# Altium PCB Charge ContollerV2.PcbDoc (part 2 of 2)
Units mil, origin at the board's own origin, x right, y up, seen from the top; angles counter-clockwise.
Board outline 6000 x 4000 mil, 4 copper layers (Top Layer, GND, PWR, Bottom Layer), stack 23.756 mil thick; 105 components, 62 nets, 328 pads, 55 vias.
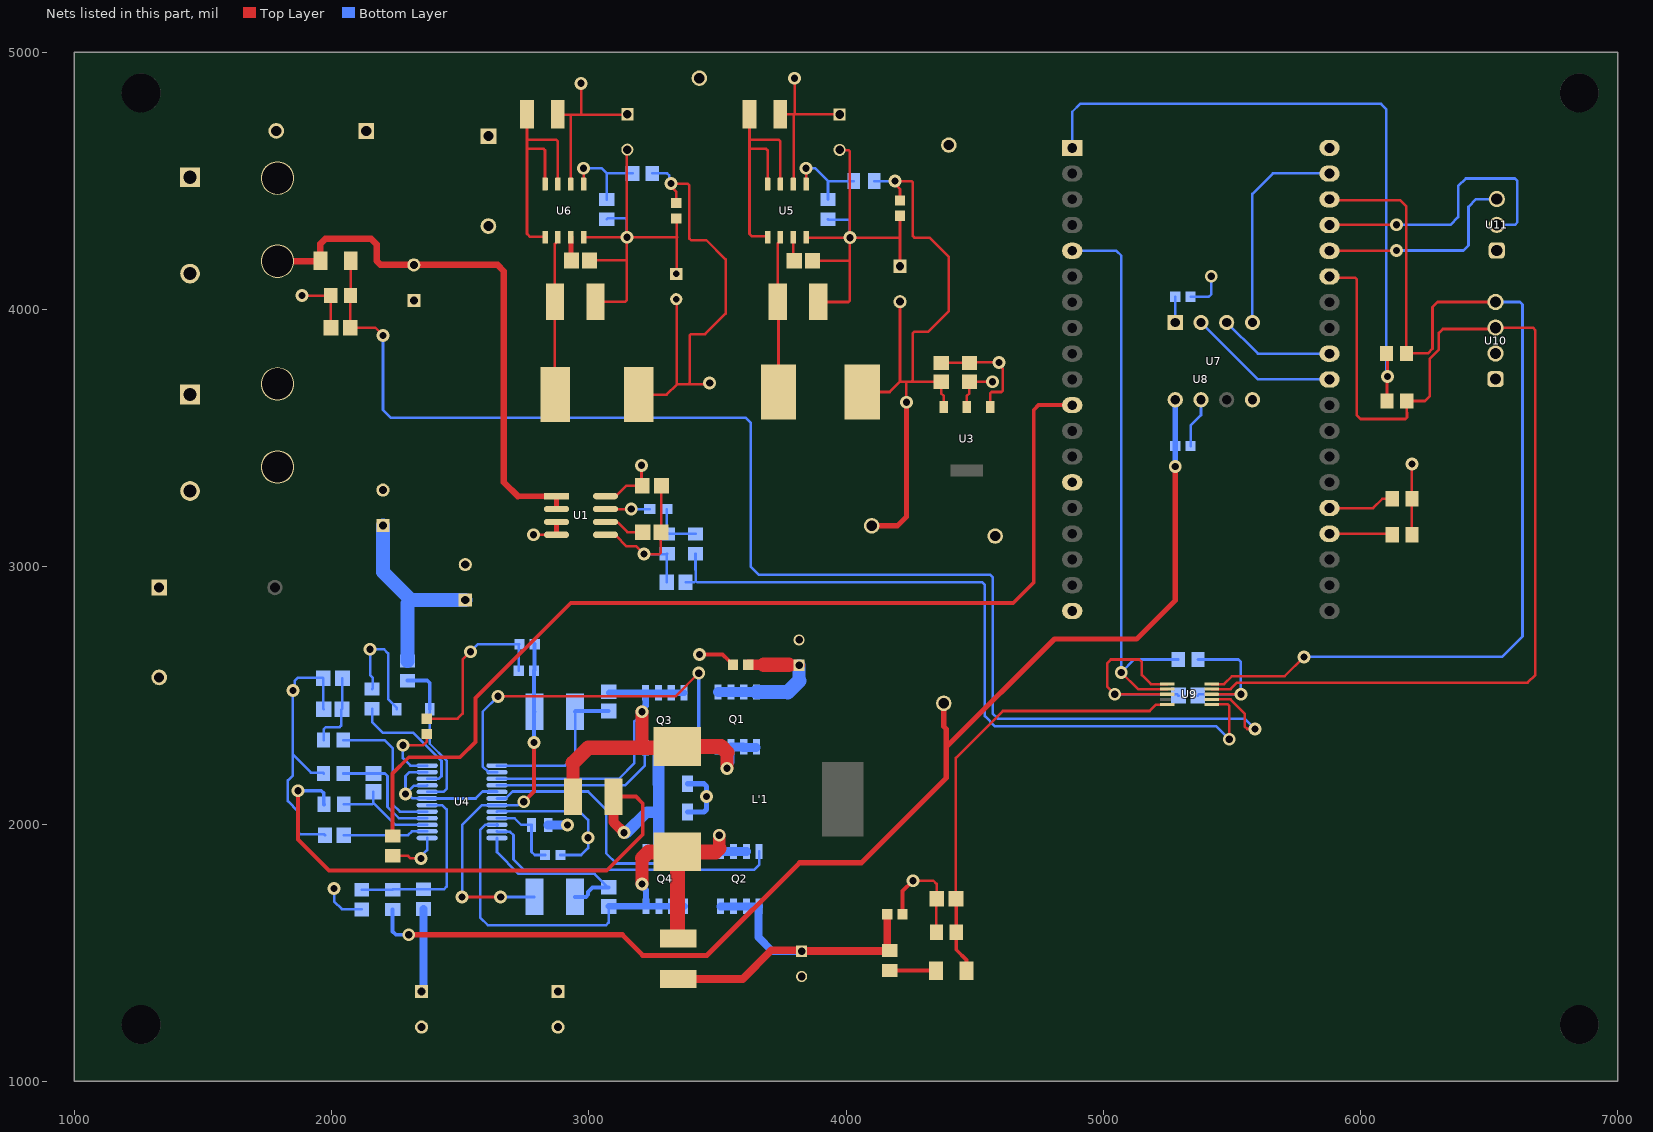
[diagram p4: the nets of this part, all layers, seen from the top]

## Via types
v1: diameter 50, hole 28, Top Layer to Bottom Layer, 55 vias

## Nets (pads, with @x,y where several pads share a name; then routed paths per layer and width w, separated by ;. In a path a pad name is that pad's centre, name@x,y a point inside that pad or via, vN(x,y) a via of type N, cw(c..) or ccw(c..) an arc to the next point about the centre after c; other vN are vias at no path point)
GND: C1.1 C2.1 C5.1 C5in.N C5op.1 C5out.1 C5T.1 C6.1 C6in.N C6op.1 C6out.P C6T.1 C7.1 C9.1 C20.1 C56.1 C'1.1 C'2.1 C'3.1 C'4.1 C'8.2 C'9.N C'10.1 C'11.2 C'12.N C'13.1 C'14.1 C'15.1 C'16.1 C'17.2 C'18.2 CA1.1 CD1.1 CD2.1 CON1.2 CON2.2 D5.A D6.A D'5.2 R2.1 R4.1 R5bot.1 R6bot.1 R24.2 R25.2 R'3.1 R'4.1 R'5.2 R'8.1 R'9.1 RA13.1 U1.5 U3.1 U4.7 U4.9 U4.11 U4.17 U4.20 U5.4 U6.4 U7.5 U7.7 U8.14 U8.38 U9.1 U9.3 U10.1 U11.1 | length 10626.4
  Top Layer w10: v1(1885,4055) R2.1@1996.57,4055 1996.57,3931.03 C1.1@1997.6,3930 ; C'4.1@2370,2409.88 2489.88,2409.88 2510,2430 2510,2640 v1(2540,2670) ; U6.4@2980,4281.65 v1(3148.35,4281.65) ; C6T.1@3003.35,4191.65 3142.49,4191.65 3148.35,4197.51 ; D6.A@3025.83,4031.65 3142.49,4031.65 3148.35,4037.51 3148.35,4197.51 ; U1.5@3065,3125 3105,3125 3105,3121.46 3146.46,3080 3185,3080 v1(3215,3050) 3274.6,3050 3280.46,3055.86 3280.46,3135 3282.4,3136.94 C6.1@3282.4,3315 ; C6in.N@3148.35,4622.2 v1(3148.35,4281.65) ; C6op.1@3340,4355.12 3342.4,4352.72 3342.4,4281.65 ; C6out.P@3342.4,4139.21 3342.4,4280.71 ; C'13.1@3545.04,2635.08 3545.43,2635.08 3560.12,2620.39 C'13.1@3560.12,2620 ; U5.4@3845,4281.65 3846.65,4280 v1(4015,4280) ; C5T.1@3870,4190 4009.14,4190 4015,4195.86 ; D5.A@3892.48,4030 4009.14,4030 4015,4035.86 4015,4195.86 ; C5in.N@3975,4621.1 3976.1,4620 4009.14,4620 4015,4614.14 v1(4015,4280) ; C5out.1@4210,4168.9 4210,4280 ; C5op.1@4210,4365.12 4210,4280 ; v1(4260,1780) 4340,1780 4352.6,1767.4 CA1.1@4352.6,1710 4351.57,1708.97 RA13.1@4351.57,1580 ; C5.1@4370,3792.93 C56.1@4480,3792.93 4482.07,3795 v1(4595,3795) 4595,3784.18 4610,3769.18 4610,3685.86 4604.14,3680 4566.41,3680 4560.55,3674.14 U3.1@4560.55,3621.06 ; U9.3@5248.39,2505 v1(5045,2505) 5015,2535 5015,2625 5030,2640 5140,2640 5150,2630 5150,2580 5185.63,2544.37 U9.1@5248.39,2544.37 ; R25.2@6200,3125 R24.2@6200,3265 v1(6200,3400) ; 3148.35,4197.51 v1(3148.35,4281.65) ; v1(3148.35,4281.65) 3342.4,4281.65 ; 3342.4,4280.71 3342.4,4281.65 ; 3342.4,4280.71 3343.35,4281.65 3342.4,4281.65 ; 4015,4195.86 v1(4015,4280) ; v1(4015,4280) 4210,4280
  Top Layer w15: v1(3430,2660) 3520.12,2660 C'13.1@3545.04,2635.08 ; C'10.1@4219.88,1650 4219.88,1739.88 v1(4260,1780)
  Bottom Layer w10: R'5.2@1969.07,2196.97 1966.04,2200 1920,2200 1850,2270 ; C'16.1@1969.44,2446.97 1967.5,2448.91 C'15.1@1967.5,2566.97 1964.47,2570 1870,2570 1857.65,2557.65 1857.65,2527.65 v1(1850,2520) 1850,2270 ; C'14.1@1974.57,1956.97 1971.54,1960 1880,1960 1870,1970 1870,2050 1830,2090 1830,2170 1850,2190 1850,2270 ; v1(2010,1750) 2010,1700 2040,1670 2116.05,1670 R'8.1@2117.5,1668.55 ; R'9.1@2157.5,2525.4 2160,2527.9 2160,2570 2150,2580 v1(2150,2680) 2204.14,2680 2220,2664.14 2220,2486.2 2253.13,2453.07 D'5.2@2253.13,2446.97 ; U4.9@2371.67,2150.95 2370.2,2149.47 2320,2149.47 v1(2287.5,2116.97) ; U4.11@2371.67,2202.13 2302.66,2202.13 2287.5,2186.97 v1(2287.5,2116.97) ; v1(2540,2670) 2570,2700 C'3.1@2730.12,2700 2727.62,2697.5 C'2.1@2727.62,2596.97 ; U4.20@2643.33,2048.59 2644.8,2050.06 2964.41,2050.06 2997.5,2016.97 v1(2997.5,1946.97) 2997.5,1906.97 2970.53,1880 C'1.1@2889.88,1880 ; U4.17@2643.33,2125.36 2641.85,2126.83 2587.64,2126.83 2587.5,2126.97 2560.3,2099.77 U4.7@2371.67,2099.77 2371.48,2099.96 2315.33,2099.96 2298.32,2116.97 v1(2287.5,2116.97) ; R6bot.1@3070,4351.57 3073.43,4355 3142.49,4355 3148.35,4349.14 v1(3148.35,4281.65) ; v1(3215,3050) 3303.43,3050 R4.1@3303.53,3050.11 ; C9.1@3303.53,2940 R4.1@3303.53,3050.11 ; R4.1@3305,3051.57 R4.1@3303.53,3050.11 ; R5bot.1@3930,4351.57 3931.57,4350 4009.14,4350 4015,4344.14 v1(4015,4280) ; v1(5045,2505) 5287.6,2505 C20.1@5292.6,2500 ; CD1.1@5339.88,3470 5339.88,3549.88 5380,3590 U7.7@5380,3650 ; CD2.1@5339.88,4050 5410,4050 5420,4060 v1(5420,4130)
  Bottom Layer w20: R'4.1@3383.6,2046.97 3447.5,2046.97 3457.5,2056.97 v1(3457.5,2106.97) 3457.5,2146.97 3447.5,2156.97 R'3.1@3383.6,2156.97
NetC1_2: C1.2 R1.1 R2.2 U9.7 | length 5478.7
  Top Layer w10: R1.1@2075,4190 2075,4056.57 R2.2@2073.43,4055 2072.4,4053.97 C1.2@2072.4,3930 2170,3930 v1(2200,3900) ; U9.7@5421.61,2485.32 5494.69,2485.32 5550,2430 5550,2380 5560,2370 v1(5590,2370)
  Bottom Layer w10: v1(2200,3900) 2200,3610 2230,3580 3610,3580 3630,3560 3630,3000 3660,2970 4560,2970 4570,2960 4570,2430 4590,2410 5550,2410 v1(5590,2370)
NetC2_2: C2.2 U1.6 | length 157.2
  Top Layer w10: U1.6@3067.77,3172.23 3112.77,3172.23 3150,3135 C2.2@3209.54,3135
NetC5_2: C5.2 C5op.2 C5out.2 L5.2 R5top.2 TP12V.TP U3.2@4379.45,3621.06 | length 2608.2
  Top Layer w10: L5.2@4062.4,3680 4170,3680 4210,3720 ; C5out.2@4210,4031.1 4210,3720 ; C5op.2@4210,4424.88 4210,4469.18 4190,4489.18 v1(4190,4500) 4254.14,4500 4260,4494.14 4260,4285.86 4265.86,4280 4325,4280 4400,4205 4400,3995 4320,3915 4265.86,3915 4260,3909.14 4260,3725.86 4254.14,3720 ; v1(4235,3640) 4235,3717.07 4232.07,3720 ; U3.2@4379.45,3621.06 4379.45,3665.55 4370,3675 C5.2@4370,3720 4254.14,3720 ; 4210,3720 4232.07,3720 ; 4232.07,3720 4254.14,3720
  Top Layer w20: TP12V.TP@4100,3160 4200,3160 4235,3195 v1(4235,3640)
  Bottom Layer w10: R5top.2@4110.35,4500 v1(4190,4500)
NetC5in_2: 
NetC5T_2: C5T.2 U5.3 | length 93.3
  Top Layer w10: U5.3@3795,4281.65 3795,4194.08 C5T.2@3799.08,4190
NetC6_2: C6.2 C56.2 TP5V.TP U1.8 U3.2@4470,3621.06 U8.19 U10.2 | length 433.1
  Top Layer w10: U1.8@3065,3275 3105,3275 3145,3315 C6.2@3207.6,3315 3205,3317.6 v1(3205,3395) ; U3.2@4470,3621.06 4470,3665.55 4479.45,3675 C56.2@4479.45,3720 ; C56.2@4480,3720 v1(4570,3720)
NetC6op_2: C6op.2 C6out.N C20.2 CD2.2 L6.2 R6top.2 R31.2 TP3.3V.TP U7.1 U9.8 | length 2522.6
  Top Layer w10: L6.2@3194.8,3670 3302.4,3670 3342.4,3710 ; C6op.2@3340,4414.88 3340,4459.18 3320,4479.18 v1(3320,4490) 3384.14,4490 3390,4484.14 3390,4275.86 ; C6out.N@3342.4,4040.79 3342.4,3710 ; 3392.4,4275.86 3398.26,4270 3457.4,4270 3532.4,4195 3532.4,3985 3452.4,3905 3398.26,3905 3392.4,3899.14 3392.4,3715.86 3386.54,3710 ; v1(3470,3715) 3465,3710 3386.54,3710 ; U9.8@5421.61,2505 v1(5535,2505) ; 3342.4,3710 3386.54,3710
  Bottom Layer w10: R6top.2@3246.83,4530 3305,4530 3312.35,4522.65 3312.35,4497.65 v1(3320,4490) ; U7.1@5280,3950 5280.12,3950.12 CD2.2@5280.12,4050 ; C20.2@5367.4,2500 5372.4,2505 v1(5535,2505) 5535,2630 5525,2640 R31.2@5368.43,2640
NetC6T_2: C6T.2 U6.3 | length 91
  Top Layer w20: U6.3@2930,4281.65 2930.83,4280.83 2930.83,4193.25 C6T.2@2932.42,4191.65
NetC7_2: C7.2 F1.1 R1.2 U1.1 U1.2 | length 2142.5
  Top Layer w10: R1.2@1955.39,4188.58 R1.2@1956.8,4190 ; C7.2@2318.9,4175 C7.2@2320,4173.9
  Top Layer w20: 2724.76,3275 2794.76,3275 U1.1@2874.76,3275 U1.2@2874.76,3225
  Top Layer w25: F1.1@1790,4188.58 R1.2@1955.39,4188.58 ; R1.2@1956.8,4190 1956.8,4256.8 1975,4275 2155,4275 2175,4255 2175,4190 2190,4175 C7.2@2318.9,4175 ; C7.2@2320,4173.9 2646.1,4173.9 2670,4150 2670,3329.76 2724.76,3275
NetC9_2: C9.2 R5.1 U9.6 | length 2976.5
  Top Layer w10: U9.6@5421.61,2465.63 5484.14,2465.63 5490,2459.77 v1(5490,2330)
  Bottom Layer w10: C9.2@3376.47,2940 3410,2940 3415.86,2945.86 ; R5.1@3415,3051.57 3415,2988.79 3415.86,2987.93 3415.86,2945.86 ; v1(5490,2330) 5440,2380 4580,2380 4540,2420 4540,2930 4530,2940 3421.72,2940 3415.86,2945.86
NetC'1_2: C'1.2 R'1.1 U4.21 | length 307.2
  Bottom Layer w10: U4.21@2643.33,2022.99 2711.48,2022.99 2737.5,1996.97 R'1.1@2777.5,1996.97 2777.5,1892.5 2790,1880 C'1.2@2830.12,1880
NetC'2_2: C'2.2 C'3.2 D'2.K D'3.K U4.19 | length 1470.3
  Top Layer w10: v1(2507.5,1716.97) v1(2657.5,1716.97)
  Top Layer w15: v1(2747.5,2086.97) 2787.5,2126.97 v1(2787.5,2316.97)
  Bottom Layer w10: v1(2507.5,1716.97) 2507.5,1996.97 2584.7,2074.18 U4.19@2643.33,2074.18 2723.88,2074.18 2736.68,2086.97 v1(2747.5,2086.97) ; v1(2657.5,1716.97) D'3.K@2788.76,1716.97
  Bottom Layer w15: v1(2787.5,2316.97) 2787.5,2435.71 D'2.K@2788.76,2436.97 2787.38,2438.35 C'2.2@2787.38,2596.97 2788.63,2598.22 2788.63,2698.75 C'3.2@2789.88,2700
NetC'4_2: C'4.2 U4.12 | length 284.3
  Top Layer w10: v1(2277.5,2306.97) 2356.97,2306.97 2370,2320 C'4.2@2370,2350.12
  Bottom Layer w10: v1(2277.5,2306.97) 2277.5,2256.97 2306.75,2227.72 U4.12@2371.67,2227.72
NetC'5_1: C'5.1 D'2.A U4.13 | length 623.3
  Bottom Layer w10: U4.13@2643.33,2227.72 2908.25,2227.72 2947.5,2266.97 2947.5,2435.71 D'2.A@2946.24,2436.97
  Bottom Layer w15: D'2.A@2946.24,2436.97 2948.84,2439.57 C'5.1@3077.5,2439.57
NetC'5_2: C'5.2 D'4.A L'1.1 Q1.1 Q1.2 Q1.3 Q3.5 Q3.6 Q3.7 Q3.8 U4.15 | length 2312.1
  Top Layer w15: L'1.1@3339.82,2296.97 L'1.1@3344.74,2301.89
  Top Layer w40: 3207.5,2316.97 3227.5,2296.97
  Top Layer w50: D'4.A@2938.76,2106.97 2938.76,2238.23 ; 3207.5,2316.97 v1(3207.5,2436.97) ; v1@3537.5,2219.68 3537.5,2278.46
  Top Layer w57: 2938.76,2238.23 2997.5,2296.97 3227.5,2296.97 L'1.1@3339.82,2296.97 ; L'1.1@3344.74,2301.89 3514.07,2301.89 3537.5,2278.46
  Bottom Layer w10: U4.15@2643.33,2176.54 3117.07,2176.54 3177.5,2236.97 3177.5,2399.8 3207.5,2429.8 v1(3207.5,2436.97)
  Bottom Layer w15: C'5.2@3077.5,2514.37 C'5.2@3080.42,2511.46 ; v1(3207.5,2436.97) v1@3207.5,2446.44 ; Q3.6@3269.16,2509.8 Q3.6@3270.82,2511.46 ; Q1.1@3650,2297.7 Q1.1@3652.5,2300.2
  Bottom Layer w25: C'5.2@3080.42,2511.46 Q3.5@3220.82,2511.46 ; v1@3207.5,2446.44 3220.82,2459.76 Q3.5@3220.82,2511.46 ; Q3.8@3370.82,2511.46 Q3.7@3320.82,2511.46 Q3.6@3270.82,2511.46 Q3.5@3220.82,2511.46
  Bottom Layer w30: v1(3537.5,2216.97) 3537.5,2226.44 3552.5,2241.44 Q1.3@3552.5,2300.2
  Bottom Layer w35: Q1.3@3552.5,2300.2 Q1.2@3600,2300.2 ; Q1.2@3600,2297.7 Q1.1@3650,2297.7
NetC'6_1: C'6.1 D'3.A U4.24 | length 699.2
  Bottom Layer w10: U4.24@2643.33,1946.22 2643.33,1891.14 2727.5,1806.97 3022.93,1806.97 3075.53,1754.37 C'6.1@3077.5,1754.37
  Bottom Layer w15: D'3.A@2946.24,1716.97 2988.71,1716.97 2997.5,1725.76 2997.5,1736.97 3014.9,1754.37 C'6.1@3077.5,1754.37
NetC'6_2: C'6.2 D'1.K L'1.2 Q2.1 Q2.2 Q2.3 Q4.5 Q4.6 Q4.7 Q4.8 U4.22 | length 2367
  Top Layer w40: D'1.K@3344.74,1558.47 D'1.K@3347.5,1555.71
  Top Layer w50: v1(3207.5,1766.97) 3207.5,1866.97 ; 3507.5,1906.97 v1(3507.5,1956.97)
  Top Layer w57: 3207.5,1866.97 3232.58,1892.05 L'1.2@3344.74,1892.05 ; D'1.K@3344.74,1558.47 L'1.2@3344.74,1892.05 ; 3507.5,1906.97 3492.58,1892.05 L'1.2@3344.74,1892.05
  Bottom Layer w10: U4.22@2642.81,1996.88 2597.41,1996.88 2577.5,1976.97 2577.5,1636.97 2607.5,1606.97 3067.5,1606.97 3077.5,1616.97 C'6.2@3077.5,1679.57 C'6.2@3078.13,1680.2
  Bottom Layer w15: U4.22@2642.81,1996.88 U4.22@2643.33,1997.4 ; v1@3207.5,1757.5 v1(3207.5,1766.97) ; Q4.7@3270,1682.7 Q4.7@3272.5,1680.2 ; v1(3507.5,1956.97) v1@3510,1954.47 ; Q2.1@3510,1896.24 Q2.1@3512.5,1893.74 ; Q2.2@3562.5,1893.74 Q2.2@3565,1896.24 ; Q2.3@3612.5,1893.74 Q2.3@3618.78,1900.02
  Bottom Layer w25: C'6.2@3078.13,1680.2 Q4.8@3222.5,1680.2 ; v1@3207.5,1757.5 3222.5,1742.5 Q4.8@3222.5,1680.2 ; Q4.5@3372.5,1680.2 Q4.6@3322.5,1680.2 Q4.7@3272.5,1680.2 Q4.8@3222.5,1680.2
  Bottom Layer w30: Q2.1@3510,1896.24 v1@3510,1954.47
  Bottom Layer w35: Q2.1@3512.5,1893.74 Q2.2@3562.5,1893.74 Q2.3@3612.5,1893.74
NetC'7_1: C'7.1 R'5.1 U4.4 | length 468.1
  Bottom Layer w10: R'5.1@2045.93,2196.97 C'7.1@2162.96,2196.97 2207.5,2196.97 2217.5,2186.97 2217.5,2066.97 2261.48,2022.99 U4.4@2371.67,2022.99
NetC'7_2: C'7.2 R'2.1 U4.3 | length 405.3
  Bottom Layer w10: R'2.1@2047.5,2076.97 2157.5,2076.97 2162.96,2082.43 ; C'7.2@2162.96,2126.04 2162.96,2082.43 ; U4.3@2371.67,1997.4 2247.99,1997.4 2162.96,2082.43
NetC'14_2: C'14.2 U4.2 | length 330.3
  Bottom Layer w10: C'14.2@2047.5,1956.97 2297.5,1956.97 2312.34,1971.81 U4.2@2371.67,1971.81
NetC'15_2: C'15.2 C'16.2 R'10.1 | length 302
  Bottom Layer w10: R'10.1@1969.07,2326.97 1969.07,2368.54 1977.5,2376.97 2031.64,2376.97 2037.5,2382.83 2037.5,2444.11 C'16.2@2040.37,2446.97 2042.3,2448.91 C'15.2@2042.3,2566.97
NetCA1_2: CA1.2 RA12.1 RA13.2 U9.5 | length 1750.1
  Top Layer w10: CA1.2@4427.4,1710 4427.4,2257.4 4610,2440 5180,2440 5205,2465 5247.76,2465 U9.5@5248.39,2465.63
  Top Layer w15: CA1.2@4428.43,1708.97 RA13.2@4428.43,1580 4428.43,1511.57 4468.2,1471.8 RA12.1@4468.2,1430
NetCD1_2: CD1.2 R'7.2 TPDAC.TPDAC U7.8 | length 4763
  Top Layer w20: v1(2300,1570) 3130,1570 3210,1490 3460,1490 3820,1850 4060,1850 4390,2180 4390,2300 ; TPDAC.TPDAC@4380,2470 4380,2380 4390,2370 4390,2300 ; v1(5280,3390) 5280,2870 5130,2720 4810,2720 4390,2300
  Bottom Layer w15: R'7.2@2237.5,1668.54 2237.5,1582.5 2250,1570 v1(2300,1570) ; v1(5280,3390) v1@5280.06,3390.06 ; CD1.2@5280,3470.12 CD1.2@5280.12,3470 CD1.2@5280.06,3469.94
  Bottom Layer w20: CD1.2@5280,3470.12 U7.8@5280,3650 ; v1@5280.06,3390.06 CD1.2@5280.06,3469.94
NetD4_2: CON1.1 D4.2 F1.2 | length 5.1
  Top Layer w10: CON1.1@1450,4515 CON1.1@1453.58,4511.42
NetD5_2: D5.K L5.1 U5.2 | length 606.9
  Top Layer w10: L5.1@3737.6,3680 3737.6,4027.4 D5.K@3735,4030 3735,4257.87 3745,4267.87 U5.2@3745,4281.65
NetD6_2: D6.K L6.1 U6.2 | length 616.5
  Top Layer w10: L6.1@2868.35,3670 D6.K@2868.35,4031.65 2868.35,4256.22 2880,4267.87 U6.2@2880,4281.65
NetD8_2: CON2.1 D8.2 F2.2
NetD9_1: D9.1 F2.1
NetD'4_1: D'4.K Q3.1 Q3.2 Q3.3 Q4.1 Q4.2 Q4.3 R'2.2 R'3.2 R'4.2 | length 2959.1
  Top Layer w15: v1(1870,2130) 1870,1940 1990,1820 3070,1820 3210,1960 3210,2080 3183.03,2106.97 D'4.K@3096.24,2106.97
  Top Layer w40: D'4.K@3096.24,2106.97 3096.24,2008.23 v1(3137.5,1966.97)
  Bottom Layer w15: v1(1870,2130) 1960,2130 1970,2120 1970,2077.61 R'2.2@1970.64,2076.97 ; v1(3137.5,1966.97) v1@3146.29,1966.97 ; Q3.3@3270.82,2297.91 Q3.3@3271.11,2297.62 ; R'3.2@3271.11,2157.26 R'3.2@3271.4,2156.97 ; R'4.2@3271.4,2046.97 R'4.2@3271.95,2046.42 ; Q4.2@3271.95,1894.29 Q4.2@3272.5,1893.74
  Bottom Layer w35: Q4.1@3222.5,1893.74 Q4.2@3272.5,1893.74 Q4.3@3322.5,1893.74 ; Q3.3@3270.82,2297.91 Q3.2@3320.82,2297.91 Q3.1@3370.82,2297.91
  Bottom Layer w45: v1@3146.29,1966.97 3226.29,2046.97 R'4.2@3271.4,2046.97 R'3.2@3271.4,2156.97 ; R'3.2@3271.11,2157.26 Q3.3@3271.11,2297.62 ; Q4.2@3271.95,1894.29 R'4.2@3271.95,2046.42
NetD'5_1: D'5.1 R'11.1 U4.8 | length 609.6
  Bottom Layer w10: U4.8@2371.67,2125.36 2435.89,2125.36 2447.5,2136.97 2447.5,2246.97 2381.87,2312.6 D'5.1@2381.87,2446.97
  Bottom Layer w15: R'11.1@2295.27,2557.88 2372.12,2557.88 2381.87,2548.13 D'5.1@2381.87,2446.97
NetQ1_4: Q1.4 U4.14 | length 1525.8
  Top Layer w10: v1(2647.5,2496.97) 3337.5,2496.97 v1(3427.5,2586.97)
  Bottom Layer w10: U4.14@2643.33,2202.13 2609.77,2202.13 2587.5,2224.4 2587.5,2436.97 v1(2647.5,2496.97)
  Bottom Layer w15: v1(3427.5,2586.97) 3427.5,2326.97 3454.27,2300.2 Q1.4@3502.5,2300.2
NetQ2_4: Q2.4 U4.23 | length 1196.4
  Bottom Layer w10: U4.23@2643.33,1971.81 2644.8,1970.34 2694.13,1970.34 2707.5,1956.97 2707.5,1862.83 2748.36,1821.97 3642.5,1821.97 3662.5,1841.97 Q2.4@3662.5,1893.74
NetQ3_4: Q3.4 U4.16 | length 678
  Bottom Layer w10: U4.16@2643.33,2150.95 3141.48,2150.95 3217.5,2226.97 3217.5,2294.59 Q3.4@3220.82,2297.91
NetQ4_4: Q4.4 U4.18 | length 994
  Bottom Layer w10: U4.18@2643.33,2099.77 2676.89,2099.77 2704.09,2126.97 2997.5,2126.97 3067.5,2056.97 3067.5,1886.97 3107.5,1846.97 3357.5,1846.97 3367.5,1856.97 3367.5,1888.74 Q4.4@3372.5,1893.74
NetR3_1: R3.1 R4.2 R5.2 | length 207.6
  Bottom Layer w10: R3.1@3302.56,3225 3302.56,3130.87 R4.2@3305,3128.43 R5.2@3415,3128.43
NetR3_2: R3.2 U1.7 | length 172.4
  Top Layer w10: U1.7@3065,3225 v1(3165,3225)
  Bottom Layer w10: v1(3165,3225) R3.2@3237.44,3225
NetR5bot_2: R5bot.2 R5top.1 U5.5 | length 338.6
  Top Layer w10: U5.5@3845,4488.35 v1(3845,4550)
  Bottom Layer w10: v1(3845,4550) 3880,4550 3930,4500 ; R5bot.2@3930,4428.43 3930,4500 ; R5top.1@4029.65,4500 3930,4500
NetR6bot_2: R6bot.2 R6top.1 U6.5 | length 361.5
  Top Layer w10: U6.5@2980,4488.35 v1(2980,4550)
  Bottom Layer w10: v1(2980,4550) 3050,4550 3070,4530 ; R6bot.2@3070,4428.43 3070,4530 ; R6top.1@3170,4530 3070,4530
NetR24_2: R25.1 U8.23 | length 245.3
  Top Layer w10: U8.23@5879.49,3128.94 6119.21,3128.94 R25.1@6123.14,3125
NetR25_2: R24.1 U8.24 | length 258.6
  Top Layer w10: U8.24@5879.49,3228.94 6048.94,3228.94 6085,3265 R24.1@6123.14,3265
NetR29_1: R29.1 R30.1 U8.1 | length 2611.2
  Top Layer w10: R29.1@6101.57,3830 6105,3826.57 v1(6105,3740) 6103.14,3738.14 R30.1@6103.14,3645
  Bottom Layer w10: U8.1@4879.49,4628.94 4879.49,4769.49 4910,4800 6080,4800 6100,4780 6100,3745 v1(6105,3740)
NetR29_2: R29.2 U8.36 U9.10 U10.4 | length 4078.3
  Top Layer w10: U9.10@5421.61,2544.37 5469.37,2544.37 5500,2575 5705,2575 v1(5780,2650) ; U8.36@5890,4425 6155,4425 6178.43,4401.57 R29.2@6178.43,3830 6261.72,3830 6280,3848.28 6280,4010 6300,4030 U10.4@6525,4030
  Bottom Layer w10: v1(5780,2650) 6550,2650 6630,2730 6630,4020 6620,4030 U10.4@6525,4030
NetR30_2: R30.2 U8.33 U9.9 U10.3 | length 4255
  Top Layer w10: U9.9@5421.61,2524.68 5494.69,2524.68 5520,2550 6650,2550 6680,2580 6680,3920 6670,3930 U10.3@6525,3930 ; U8.33@5890,4125 5979.14,4125 5985,4119.14 5985,3590 6000,3575 6175,3575 6180.86,3580.86 6180.86,3599.42 6180,3600.28 R30.2@6180,3645 6250,3645 6270,3665 6270,3810 6305,3845 6305,3910 6320,3925 U10.3@6520,3925
NetR31_1: R31.1 U8.5 U9.2 | length 2266.1
  Top Layer w10: v1(5070,2590) 5135.31,2524.68 U9.2@5248.39,2524.68
  Bottom Layer w10: U8.5@4879.49,4228.94 5051.06,4228.94 5070,4210 v1(5070,2590) 5120,2640 R31.1@5291.57,2640
NetR'6_1: R'6.1 R'7.1 R'8.2 U4.6 | length 717.8
  Bottom Layer w10: R'8.2@2117.5,1745.39 R'7.1@2237.5,1745.4 2239.07,1746.97 R'6.1@2357.5,1746.97 2437.5,1746.97 2447.5,1756.97 2447.5,2056.97 2430.3,2074.18 U4.6@2371.67,2074.18
NetR'9_2: R'9.2 U4.10 | length 503.1
  Bottom Layer w10: R'9.2@2157.5,2448.54 2157.5,2396.97 2198.51,2355.96 2317.3,2355.96 2427.5,2245.76 2427.5,2186.97 2417.5,2176.97 2372.11,2176.97 U4.10@2371.67,2176.54
NetR'10_2: R'10.2 U4.5 | length 569.2
  Bottom Layer w10: R'10.2@2045.93,2326.97 2206.29,2326.97 2237.5,2295.76 2237.5,2076.97 2265.89,2048.59 U4.5@2371.67,2048.59
NetR'12_1: R'12.1 U8.11 | length 3970.6
  Top Layer w15: R'12.1@2237.5,1953.83 2237.5,2197.5 2300,2260 2500,2260 2560,2320 2560,2490 2930,2860 4650,2860 4730,2940 4730,3610 4748.94,3628.94 U8.11@4879.49,3628.94
NetR'12_2: R'12.2 U4.1 | length 203.4
  Top Layer w10: R'12.2@2237.5,1876.97 2297.5,1876.97 2307.5,1866.97 v1(2347.5,1866.97)
  Bottom Layer w10: v1(2347.5,1866.97) 2347.5,1875.19 2371.67,1899.37 U4.1@2371.67,1946.22
NetRA11_1: RA11.1 RA12.2 | length 180.7
  Top Layer w15: RA11.1@4170,1431.57 4348.43,1431.57 RA12.2@4350,1430
NetRD1_1: 
NetRD2_1: 
NetRsc5_2: Rsc5.2 U5.1 U5.7 U5.8 | length 1037
  Top Layer w10: Rsc5.2@3624.92,4760 3624.92,4665.86 ; U5.1@3695,4281.65 3691.65,4285 3635,4285 3624.92,4295.08 3624.92,4630.86 ; U5.8@3695,4488.35 3695,4619.14 3689.14,4625 3630.78,4625 3624.92,4630.86 ; U5.7@3745,4488.35 3745,4654.14 3739.14,4660 3630.78,4660 3624.92,4665.86 ; 3624.92,4630.86 3624.92,4665.86
NetRsc6_2: Rsc6.2 U6.1 U6.7 U6.8 | length 1032.3
  Top Layer w10: 2759.92,4295.08 2759.92,4630.86 ; Rsc6.2@2759.92,4760 2759.92,4665.86 ; 2761.59,4293.41 2771.67,4283.33 U6.1@2828.33,4283.33 ; U6.8@2830,4488.35 2830,4619.14 2824.14,4625 2765.78,4625 2759.92,4630.86 ; U6.7@2880,4488.35 2880,4654.14 2874.14,4660 2765.78,4660 2759.92,4665.86 ; 2759.92,4630.86 2759.92,4665.86
NetU7_2: U7.2 U8.29 | length 591.1
  Bottom Layer w10: U7.2@5380,3950 5601.06,3728.94 U8.29@5879.49,3728.94
NetU7_3: U7.3 U8.30 | length 449.6
  Bottom Layer w10: U7.3@5480,3950 5601.06,3828.94 U8.30@5879.49,3828.94
NetU7_4: U7.4 U8.37 | length 833.1
  Bottom Layer w10: U7.4@5580,3950 5580,4450 5660,4530 U8.37@5878.43,4530
  Bottom Layer w15: U8.37@5878.43,4530 U8.37@5879.49,4528.94
NetU8_34: U8.34 U11.3 | length 821.7
  Top Layer w10: U8.34@5879.49,4228.94 5880.02,4229.47 6139.47,4229.47 v1(6140,4230)
  Bottom Layer w10: v1(6140,4230) 6400,4230 6420,4250 6420,4400 6450,4430 U11.3@6530,4430
NetU8_35: U8.35 U11.2 | length 1124.1
  Top Layer w10: U8.35@5879.49,4328.94 5880.02,4329.47 6139.47,4329.47 v1(6140,4330)
  Bottom Layer w10: v1(6140,4330) 6350,4330 6380,4360 6380,4480 6410,4510 6600,4510 6610,4500 6610,4340 6600,4330 U11.2@6530,4330
"Panel V": C5in.P C6in.P C'11.1 C'12.P C'13.2 C'18.1 D4.1 D8.1 Q1.5 Q1.6 Q1.7 Q1.8 R'1.2 R'11.2 Rsc5.1 Rsc6.1 TPSolar.TP U1.3 U1.4 U5.6 U6.6 | length 2900.7
  Top Layer w10: v1(2785,3125) U1.4@2874.76,3125 ; Rsc6.1@2880.04,4758.26 2930,4758.26 ; U6.6@2930,4488.35 2930,4758.26 ; v1(2970,4880) 2970,4758.26 ; C6in.P@3150,4758.26 2970,4758.26 ; Rsc5.1@3745,4760 3796.74,4760 ; U5.6@3795,4488.35 3796.74,4490.09 3796.74,4760 ; v1(3800,4900) 3800,4763.26 3796.74,4760 ; C5in.P@3975,4758.9 3973.9,4760 3796.74,4760 ; 2930,4758.26 2970,4758.26
  Top Layer w20: U1.4@2874.76,3125 U1.3@2874.76,3175
  Top Layer w40: C'13.2@3619.88,2620 3680,2620 ; 3777.76,2620 3780,2617.76
  Top Layer w45: 3780,2617.76 C'12.P@3817.5,2617.76
  Top Layer w57: 3680,2620 3777.76,2620
  Bottom Layer w35: R'1.2@2842.46,1996.97 v1(2917.5,1996.97)
  Bottom Layer w40: Q1.5@3502.5,2513.74 Q1.6@3552.5,2513.74 Q1.7@3602.5,2513.74 Q1.8@3652.5,2513.74
  Bottom Layer w50: 2295.27,2857.48 2308.9,2871.1 ; 3817.5,2557.5 C'12.P@3817.5,2617.76
  Bottom Layer w55: C'11.1@2200,3161.1 2200,2980 2308.9,2871.1 C'18.1@2520,2871.1 ; R'11.2@2295.27,2634.73 2295.27,2857.48 ; Q1.8@3652.5,2513.74 3773.74,2513.74
  Bottom Layer w57: 3773.74,2513.74 3817.5,2557.5
Vbatt: C'8.1 C'9.P C'10.2 C'17.1 D9.2 D'1.A Q2.5 Q2.6 Q2.7 Q2.8 R'6.2 RA11.2 | length 1795.4
  Top Layer w10: D9.2@1330,2570.39 D9.2@1335,2565.39
  Top Layer w30: D'1.A@3347.5,1398.23 3598.23,1398.23 3710,1510 3823.68,1510 C'9.P@3827.5,1506.18 3828.62,1507.31 4168.88,1507.31 RA11.2@4170,1508.43 ; RA11.2@4160.12,1518.31 C'10.2@4160.12,1650
  Bottom Layer w15: Q2.5@3660,1677.7 Q2.5@3662.5,1680.2
  Bottom Layer w30: C'8.1@2350,1348.9 2357.5,1356.4 R'6.2@2357.5,1670.14 ; Q2.8@3512.5,1680.2 Q2.7@3562.5,1680.2 Q2.6@3612.5,1680.2 Q2.5@3662.5,1680.2 ; Q2.5@3660,1677.7 3660,1560 3713.82,1506.18 C'9.P@3827.5,1506.18
pads on no net: L'1.3 TPBatt.TP U3.4 U7.6 U8.2 U8.3 U8.4 U8.6 U8.7 U8.8 U8.9 U8.10 U8.12 U8.13 U8.15 U8.16 U8.17 U8.18 U8.20 U8.21 U8.22 U8.25 U8.26 U8.27 U8.28 U8.31 U8.32 U9.4

## Polygon pours and split planes (outlines as drawn)
GND on GND (split plane): 6979.9,1020.1 1020.1,1020.1 1020.1,4979.9 6979.9,4979.9
NetC6op_2 on PWR (split plane): 5314.93,4753.76 5314.93,3866.24 5279.34,3830.66 5169.34,3720.66 5167.47,3718.37 5166.07,3715.77 5165.22,3712.94 5164.93,3710 5164.93,2830 5165.22,2827.06 5166.07,2824.23 5167.47,2821.63 5169.34,2819.34 5229.34,2759.34 5231.63,2757.47 5234.23,2756.07 5237.06,2755.22 5240,2754.93 5483.76,2754.93 5584.93,2653.76 5584.93,2476.24 5573.76,2465.07 5496.24,2465.07 5485.07,2476.24 5485.07,2590 5484.78,2592.94 5483.93,2595.77 5482.53,2598.37 5480.66,2600.66 5420.66,2660.66 5418.37,2662.53 5415.77,2663.93 5412.94,2664.78 5410,2665.07 5116.24,2665.07 5075.07,2706.24 5075.07,2890 5075.07,3763.76 5200.66,3889.34 5202.53,3891.63 5203.93,3894.23 5204.78,3897.06 5205.07,3900 5205.07,4710 5204.78,4712.94 5203.93,4715.77 5202.53,4718.37 5200.66,4720.66 5010.66,4910.66 5008.37,4912.53 5005.77,4913.93 5002.94,4914.78 5000,4915.07 4590,4915.07 4587.06,4914.78 4584.23,4913.93 4581.63,4912.53 4579.34,4910.66 4459.34,4790.66 4457.47,4788.37 4456.07,4785.77 4455.22,4782.94 4454.93,4780 4454.93,3896.24 4359.34,3800.66 4343.76,3785.07 4170,3785.07 4167.06,3784.78 4164.23,3783.93 4161.63,3782.53 4159.34,3780.66 4033.76,3655.07 3436.24,3655.07 3405.07,3686.24 3405.07,3753.76 3416.24,3764.93 4010,3764.93 4012.94,3765.22 4015.77,3766.07 4018.37,3767.47 4020.66,3769.34 4146.24,3894.93 4310,3894.93 4312.94,3895.22 4315.77,3896.07 4318.37,3897.47 4320.66,3899.34 4340.66,3919.34 4342.53,3921.63 4343.93,3924.23 4344.78,3927.06 4345.07,3930 4345.07,4853.76 4471.22,4979.9 5088.78,4979.9
no net on PWR (split plane): 6979.9,4622.4 6816.24,4622.4 6705.56,4733.08 6668.62,4816.72 6668.62,4960.63 6668.33,4963.57 6667.47,4966.4 6666.08,4969 6664.2,4971.29 6655.59,4979.9 6979.9,4979.9
NetD8_2 on PWR (split plane): 2694.93,4383.76 2694.93,3706.24 2593.76,3605.07 1426.24,3605.07 1365.07,3666.24 1365.07,3783.76 1396.24,3814.93 2440,3814.93 2442.94,3815.22 2445.77,3816.07 2448.37,3817.47 2450.66,3819.34 2500.66,3869.34 2502.53,3871.63 2503.93,3874.23 2504.78,3877.06 2505.07,3880 2505.07,4343.76 2566.24,4404.93 2673.76,4404.93
no net on PWR (split plane): 2594.93,3073.76 2594.93,2986.24 2583.76,2975.07 2486.24,2975.07 2465.07,2996.24 2465.07,3053.76 2506.24,3094.93 2573.76,3094.93
NetC6_2 on PWR (split plane): 4654.93,3833.76 4654.93,3770 4654.93,3320 4654.93,2890 4655.22,2887.06 4656.07,2884.23 4657.47,2881.63 4659.34,2879.34 4679.34,2859.34 4681.63,2857.47 4684.23,2856.07 4687.06,2855.22 4690,2854.93 4943.76,2854.93 4954.93,2843.76 4954.93,2460 4955.22,2457.06 4956.07,2454.23 4957.47,2451.63 4959.34,2449.34 5029.34,2379.34 5031.63,2377.47 5034.23,2376.07 5037.06,2375.22 5040,2374.93 5293.76,2374.93 5409.34,2259.34 5411.63,2257.47 5414.23,2256.07 5417.06,2255.22 5420,2254.93 5620,2254.93 5622.94,2255.22 5625.77,2256.07 5628.37,2257.47 5630.66,2259.34 5730.66,2359.34 5732.53,2361.63 5733.93,2364.23 5734.78,2367.06 5735.07,2370 5735.07,2483.76 6016.24,2764.93 6260,2764.93 6262.94,2765.22 6265.77,2766.07 6268.37,2767.47 6270.66,2769.34 6330.66,2829.34 6332.53,2831.63 6333.93,2834.23 6334.78,2837.06 6335.07,2840 6335.07,3823.76 6366.24,3854.93 6573.76,3854.93 6584.93,3843.76 6584.93,3786.24 6583.76,3785.07 6450,3785.07 6447.06,3784.78 6444.23,3783.93 6441.63,3782.53 6439.34,3780.66 6409.34,3750.66 6407.47,3748.37 6406.07,3745.77 6405.22,3742.94 6404.93,3740 6404.93,2756.24 6343.76,2695.07 6100,2695.07 6097.06,2694.78 6094.23,2693.93 6091.63,2692.53 6089.34,2690.66 5839.34,2440.66 5837.47,2438.37 5836.07,2435.77 5835.22,2432.94 5834.93,2430 5834.93,2306.24 5653.76,2125.07 5366.24,2125.07 5260.66,2230.66 5258.37,2232.53 5255.77,2233.93 5252.94,2234.78 5250,2235.07 4986.24,2235.07 4865.07,2356.24 4865.07,2720 4864.78,2722.94 4863.93,2725.77 4862.53,2728.37 4860.66,2730.66 4830.66,2760.66 4828.37,2762.53 4825.77,2763.93 4822.94,2764.78 4820,2765.07 4546.24,2765.07 4505.07,2806.24 4505.07,3310 4504.78,3312.94 4503.93,3315.77 4502.53,3318.37 4500.66,3320.66 4498.37,3322.53 4495.77,3323.93 4492.94,3324.78 4490,3325.07 3146.24,3325.07 3115.07,3356.24 3115.07,3403.76 3156.24,3444.93 4500,3444.93 4502.94,3445.22 4505.77,3446.07 4508.37,3447.47 4510.66,3449.34 4520.66,3459.34 4522.53,3461.63 4523.93,3464.23 4524.78,3467.06 4525.07,3470 4525.07,3670 4525.07,3770 4525.07,3843.76 4546.24,3864.93 4623.76,3864.93
no net on PWR (split plane): 6979.9,1020.1 6705.07,1020.1 6705.07,1293.76 6756.24,1344.93 6979.9,1344.93
"Panel V" on PWR (split plane): 4164.93,4906.24 4093.76,4835.07 2940,4835.07 2937.06,4834.78 2934.23,4833.93 2931.63,4832.53 2929.34,4830.66 2814.34,4715.66 2812.47,4713.37 2811.07,4710.77 2810.22,4707.94 2809.93,4705 2809.93,4695 2810.22,4692.06 2811.07,4689.23 2812.47,4686.63 2814.34,4684.34 2854.93,4643.76 2854.93,3100 2855.22,3097.06 2856.07,3094.23 2857.47,3091.63 2859.34,3089.34 2979.34,2969.34 3174.93,2773.76 3174.93,2750 3175.22,2747.06 3176.07,2744.23 3177.47,2741.63 3179.34,2739.34 3379.34,2539.34 3381.63,2537.47 3384.23,2536.07 3387.06,2535.22 3390,2534.93 3470,2534.93 3472.94,2535.22 3475.77,2536.07 3478.37,2537.47 3480.66,2539.34 3506.24,2564.93 3640,2564.93 3642.94,2565.22 3645.77,2566.07 3648.37,2567.47 3650.66,2569.34 3736.24,2654.93 3843.76,2654.93 3874.93,2623.76 3874.93,2546.24 3833.76,2505.07 3080,2505.07 3077.06,2504.78 3074.23,2503.93 3071.63,2502.53 3069.34,2500.66 2999.34,2430.66 2997.47,2428.37 2996.07,2425.77 2995.22,2422.94 2994.93,2420 2994.93,2056.24 2959.34,2020.66 2957.47,2018.37 2956.07,2015.77 2955.22,2012.94 2954.93,2010 2954.93,1956.24 2933.76,1935.07 2906.24,1935.07 2865.07,1976.24 2865.07,2370 2864.78,2372.94 2863.93,2375.77 2862.53,2378.37 2860.66,2380.66 2840.66,2400.66 2838.37,2402.53 2835.77,2403.93 2832.94,2404.78 2830,2405.07 2786.24,2405.07 2725.07,2466.24 2725.07,2710 2724.78,2712.94 2723.93,2715.77 2722.53,2718.37 2720.66,2720.66 2650.66,2790.66 2648.37,2792.53 2645.77,2793.93 2642.94,2794.78 2640,2795.07 2476.24,2795.07 2430.66,2840.66 2160.66,3110.66 2158.37,3112.53 2155.77,3113.93 2152.94,3114.78 2150,3115.07 2146.24,3115.07 2125.07,3136.24 2125.07,3193.76 2146.24,3214.93 2240,3214.93 2242.94,3215.22 2245.77,3216.07 2248.37,3217.47 2250.66,3219.34 2610.66,3579.34 2720.66,3689.34 2722.53,3691.63 2723.93,3694.23 2724.78,3697.06 2725.07,3700 2725.07,4390 2725.07,4590 2724.78,4592.94 2723.93,4595.77 2722.53,4598.37 2720.66,4600.66 2718.37,4602.53 2715.77,4603.93 2712.94,4604.78 2710,4605.07 2106.24,4605.07 2025.07,4686.24 2025.07,4979.9 4164.93,4979.9
NetD4_2 on PWR (split plane): 1994.93,4680 1995.22,4677.06 1996.07,4674.23 1997.47,4671.63 1999.34,4669.34 2078.68,4590 1959.34,4470.66 1903.76,4415.07 1020.1,4415.07 1020.1,4684.93 1400,4684.93 1402.94,4685.22 1405.77,4686.07 1408.37,4687.47 1410.66,4689.34 1510.66,4789.34 1512.53,4791.63 1513.93,4794.23 1514.78,4797.06 1515.07,4800 1515.07,4979.9 1994.93,4979.9
NetD9_1 on PWR (split plane): 1894.93,3443.76 1894.93,2896.24 1853.76,2855.07 1296.24,2855.07 1275.07,2876.24 1275.07,2973.76 1336.24,3034.93 1620,3034.93 1622.94,3035.22 1625.77,3036.07 1628.37,3037.47 1630.66,3039.34 1690.66,3099.34 1692.53,3101.63 1693.93,3104.23 1694.78,3107.06 1695.07,3110 1695.07,3433.76 1726.24,3464.93 1873.76,3464.93
no net on PWR (split plane): 1484.93,4806.24 1393.76,4715.07 1020.1,4715.07 1020.1,4979.9 1484.93,4979.9
no net on PWR (split plane): 350 vertices, not listed, extent 1020.1,1020.1 6979.9,4979.9
Vbatt on PWR (split plane): 1404.93,2593.76 1404.93,2180 1405.22,2177.06 1406.07,2174.23 1407.47,2171.63 1409.34,2169.34 2139.34,1439.34 2141.63,1437.47 2144.23,1436.07 2147.06,1435.22 2150,1434.93 3550,1434.93 3552.94,1435.22 3555.77,1436.07 3558.37,1437.47 3560.66,1439.34 3696.24,1574.93 3953.76,1574.93 3964.93,1563.76 3964.93,1486.24 3943.76,1465.07 3780,1465.07 3777.06,1464.78 3774.23,1463.93 3771.63,1462.53 3769.34,1460.66 3593.76,1285.07 1956.24,1285.07 1245.07,1996.24 1245.07,2583.76 1286.24,2624.93 1373.76,2624.93
no net on PWR (split plane): 1384.93,1293.76 1384.93,1020.1 1020.1,1020.1 1020.1,1344.93 1333.76,1344.93

## Other copper
PWR (plane layer: these items are gaps in the copper):
  lines w30: 1000,1360 1340,1360 1400,1300 1400,1000 ; 1000,4400 1910,4400 1970,4460 2100,4590 ; 1000,4700 1400,4700 1500,4800 1500,5000 ; 2010,5000 2010,4680 2100,4590 ; 4180,5000 4180,4900 4100,4820 2940,4820 2825,4705 2825,4695 2870,4650 2870,3100 2990,2980 3190,2780 3190,2750 3390,2550 3470,2550 3500,2580 3640,2580 3730,2670 3850,2670 3890,2630 3890,2540 3840,2490 3080,2490 3010,2420 3010,2050 2970,2010 2970,1950 2940,1920 2900,1920 2850,1970 2850,2370 2830,2390 2780,2390 2710,2460 2710,2710 2640,2780 2580,2780 2470,2780 2420,2830 2150,3100 2140,3100 2110,3130 2110,3200 2140,3230 2240,3230 2600,3590 ; 4470,5000 4330,4860 4330,3930 4310,3910 4140,3910 4010,3780 3450,3780 3410,3780 3390,3760 3390,3680 3430,3640 4040,3640 4170,3770 4350,3770 4370,3790 4470,3890 4470,4780 4590,4900 5000,4900 5190,4710 5190,3900 5060,3770 5060,2890 5060,2700 5110,2650 5410,2650 5470,2590 5470,2470 5490,2450 5580,2450 5600,2470 5600,2660 5490,2770 5240,2770 5180,2830 5180,3710 5290,3820 5330,3860 5330,4760 5090,5000 ; 6613.54,5000.63 6653.54,4960.63 6653.54,4813.54 6692.91,4724.41 6810,4607.32 6997.32,4607.32 ; 6690,1000 6690,1300 6750,1360 7000,1360 ; 2100,4590 2710,4590 2710,4390 ; 2600,3590 1420,3590 1350,3660 1350,3790 1390,3830 2440,3830 2490,3880 2490,4350 2560,4420 2680,4420 2710,4390 ; 2600,3590 2710,3700 2710,4390 ; 1230,1990 1950,1270 3600,1270 3780,1450 3950,1450 3980,1480 3980,1570 3960,1590 3690,1590 3550,1450 2150,1450 1420,2180 1420,2600 1380,2640 1280,2640 1230,2590 1230,1990 ; 1260,2870 1260,2980 1330,3050 1620,3050 1680,3110 1680,3440 1720,3480 1880,3480 1910,3450 1910,2890 1860,2840 1380,2840 1290,2840 1260,2870 ; 2450,2990 2450,3060 2500,3110 2580,3110 2610,3080 2610,2980 2590,2960 2490,2960 2480,2960 2450,2990 ; 3100,3350 3100,3410 3150,3460 4500,3460 4510,3470 4510,3670 4510,3770 4510,3850 4540,3880 4630,3880 4670,3840 4670,3770 4670,3320 4670,2890 4690,2870 4920,2870 4950,2870 4970,2850 4970,2460 5040,2390 5300,2390 5420,2270 5620,2270 5720,2370 5720,2490 6010,2780 6260,2780 6320,2840 6320,3830 6360,3870 6450,3870 6580,3870 6600,3850 6600,3780 6590,3770 6450,3770 6420,3740 6420,2750 6350,2680 6100,2680 5850,2430 5850,2300 5660,2110 5360,2110 5250,2220 4980,2220 4850,2350 4850,2720 4820,2750 4540,2750 4490,2800 4490,3310 3140,3310 3100,3350

## Silkscreen, mask and mechanical layers (free items; w line width, h text height)
Top Overlay:
  text "RXD" at 6620,4393.33 h20 r90
  text "TXD" at 6620,4293.33 h20 r90
  text "GND" at 6620,4195 h20 r90
  text "SCL" at 6615,3993.33 h20 r90
  text "SDA" at 6615,3893.33 h20 r90
  text "+5V" at 6615,3793.33 h20 r90
  text "GND" at 6615,3695 h20 r90